# KiCad board nRFpill.kicad_pcb
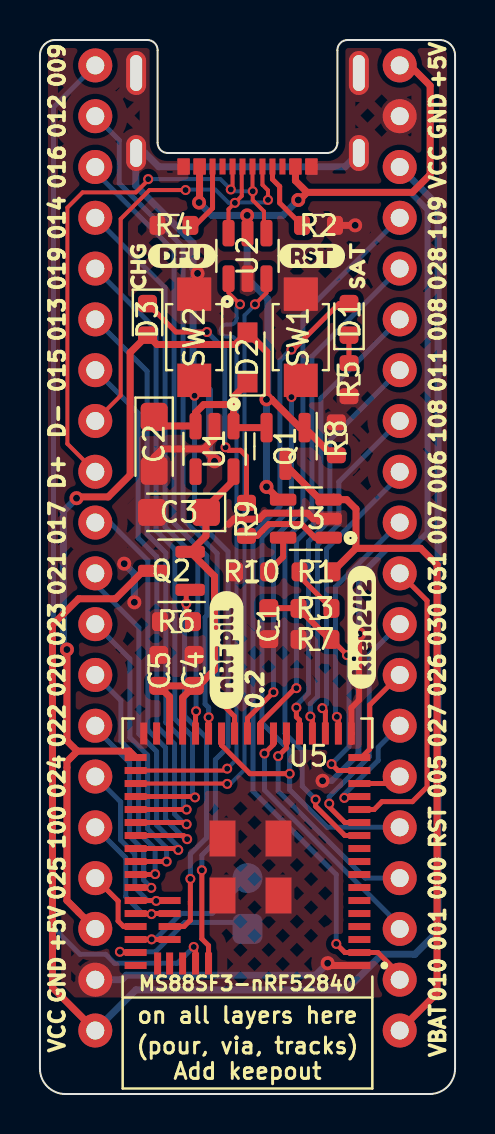
[diagram p0: board, top side]
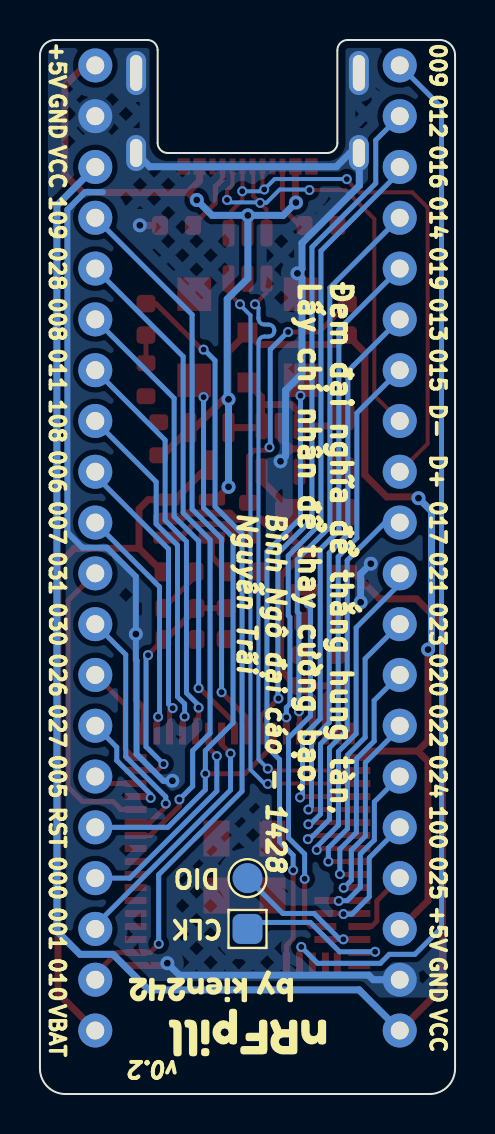
[diagram p1: board, bottom side, seen from below]

Outline 20.78 x 52.71 mm; copper layers: Top, Bottom. Coordinates in mm from the lower left corner of the outline.
Outline path: 0,51.94 0,1.27 arc(0.37,0.37) 1.27,0 19.51,0 arc(20.41,0.37) 20.78,1.27 20.78,51.94 arc(20.56,52.48) 20.02,52.71 15.4,52.71 arc(15.04,52.56) 14.89,52.2 14.89,47.56 arc(14.74,47.2) 14.38,47.05 6.4,47.05 arc(6.04,47.2) 5.89,47.56 5.89,52.2 arc(5.74,52.56) 5.38,52.71 0.76,52.71 arc(0.22,52.48) 0,51.94
Stack: Top 0.035mm / dielectric 1.51mm FR4 er 4.5 / Bottom 0.035mm

## Placement (name value [footprint] x y rotation side)
C1  100nF  [C_0603_1608Metric]  11.46 23.52 270 top
C2  10uF  [CP_EIA-3216-12_Kemet-S]  5.72 32.51 270 top
C3  10uF  [CP_EIA-3216-12_Kemet-S]  6.96 29.08 180 top
C4  10uF  [C_0603_1608Metric]  7.72 21.18 90 top
C5  100nF  [C_0603_1608Metric]  5.94 21.18 90 top
D1  BLUE  [LED_0603_1608Metric]  15.47 38.74 90 top
D2  1N5819  [D_SOD-323_HandSoldering]  10.39 36.83 90 top
D3  BLUE  [LED_0603_1608Metric]  5.39 38.74 270 top
J1  USB_C_Receptacle_USB2.0  [USB-C-Low]  10.39 47.06 0 top
J2  -  [PinHeader_1x20_P2.54mm_Vertical]  2.77 51.44 0 top
J3  -  [PinHeader_1x20_P2.54mm_Vertical]  18.01 51.44 0 top
J4  -  [TestPoint_Pad_1.5x1.5mm]  10.39 8.26 90 bottom
J5  -  [TestPoint_Pad_D1.5mm]  10.39 10.8 90 bottom
kibuzzard-62FEE3AB  G***  [kibuzzard-62FEE3AB]  12.22 5.38 0 bottom
kibuzzard-62FEE358  G***  [kibuzzard-62FEE358]  10.39 3.07 0 bottom
kibuzzard-6303CF12  G***  [kibuzzard-6303CF12]  9.34 22.2 90 top
kibuzzard-6303CF50  G***  [kibuzzard-6303CF50]  16.11 23.34 90 top
kibuzzard-6303CFD4  G***  [kibuzzard-6303CFD4]  4.92 41.37 90 top
kibuzzard-6303D094  G***  [kibuzzard-6303D094]  15.88 41.41 90 top
kibuzzard-63049CD9  G***  [kibuzzard-63049CD9]  7.11 41.91 0 top
kibuzzard-63049CF8  G***  [kibuzzard-63049CF8]  13.62 41.91 0 top
Q1  AO3407  [SOT-23]  12.3 32.39 270 top
Q2  AO3407  [SOT-23]  6.58 26.16 180 top
R1  2M  [R_0603_1608Metric]  13.82 26.11 180 top
R2  5.1k  [R_0603_1608Metric]  13.95 43.43 0 top
R3  2M  [R_0603_1608Metric]  13.77 24.28 180 top
R4  5.1k  [R_0603_1608Metric]  6.71 43.43 0 top
R5  1K  [R_0603_1608Metric]  15.47 35.72 90 top
R6  100k  [R_0603_1608Metric]  6.83 23.62 180 top
R7  10M  [R_0603_1608Metric]  13.77 22.73 180 top
R8  100K  [R_0603_1608Metric]  14.83 32.77 90 top
R9  1K  [R_0603_1608Metric]  10.34 28.74 270 top
R10  2.3k  [R_0603_1608Metric]  10.6 26.11 180 top
SW1  RST  [SW_SPST_B3U-1000P]  13.06 37.85 270 top
SW2  DFU  [SW_SPST_B3U-1000P]  7.72 37.85 270 top
U1  MIC5219-3.3YM5  [SOT-23-5]  8.74 32.26 270 top
U2  USBLC6-2SC6  [SOT-23-6]  10.39 41.91 90 top
U3  TP4054  [SOT-23-5]  13.31 28.77 180 top
U5  MS88FS3  [MODULE_MS88SF3]  10.39 9.53 180 top

## Library data of the parts
D1 D3 = -: LCSC: C375446; LCSC Part Number: C375446
R5 = -: LCSC: C21190; LCSC Part Number: C21190

## Footprints (pads in the part's own frame, mm; a bottom-side part is the same pattern mirrored in y, then rotated)
C_0603_1608Metric
  rrect 0.9x0.95 smd: 1(-0.775,0) 2(0.775,0)
CP_EIA-3216-12_Kemet-S
  rrect 1.4x1.35 smd: 1(-1.35,0) 2(1.35,0)
D_SOD-323_HandSoldering
  rect 1x1 smd: 1(-1.25,0) 2(1.25,0)
LED_0603_1608Metric
  rrect 0.875x0.95 smd: 1(-0.787,0) 2(0.787,0)
MODULE_MS88SF3
  rect 1.1x0.35 smd: 1(-5.6,3.1) 2(-5.6,2.45) 3(-5.6,1.8) 4(-5.6,1.15) 5(-5.6,0.5) 6(-5.6,-0.15) 7(-5.6,-0.8) 8(-5.6,-1.45) 9(-5.6,-2.1) 10(-5.6,-2.75) 11(-5.6,-3.4) 12(-5.6,-4.05) 13(-5.6,-4.7) 14(-5.6,-5.35) 15(-5.6,-6) 16(-5.6,-6.65) 17(-5.6,-7.3) 35(5.6,-7.3) 36(5.6,-6.65) 37(5.6,-6) 38(5.6,-5.35) 39(5.6,-4.7) 40(5.6,-4.05) 41(5.6,-3.4) 42(5.6,-2.75) 43(5.6,-2.1) 44(5.6,-1.45) 45(5.6,-0.8) 46(5.6,-0.15) 47(5.6,0.5) 48(5.6,1.15) 49(5.6,1.8) 50(5.6,2.45) 51(5.6,3.1) 57(3.9,1.8) 58(3.9,1.15) 59(3.9,0.5) 60(3.9,-0.15)
  rect 0.35x1.1 smd: 18(-5.2,-8.5) 19(-4.55,-8.5) 20(-3.9,-8.5) 21(-3.25,-8.5) 22(-2.6,-8.5) 23(-1.95,-8.5) 24(-1.3,-8.5) 25(-0.65,-8.5) 26(0,-8.5) 27(0.65,-8.5) 28(1.3,-8.5) 29(1.95,-8.5) 30(2.6,-8.5) 31(3.25,-8.5) 32(3.9,-8.5) 33(4.55,-8.5) 34(5.2,-8.5) 52(4.5,3) 53(3.9,3) 54(3.25,3) 55(2.6,3) 56(1.95,3)
  rect 1.3x1.8 smd: 61(1.25,-0.4) 62(1.25,-3.25) 63(-1.55,-3.25) 64(-1.55,-0.4)
PinHeader_1x20_P2.54mm_Vertical
  round 1.7 hole 0.9: 1(0,0) 2(0,-2.54) 3(0,-5.08) 4(0,-7.62) 5(0,-10.16) 6(0,-12.7) 7(0,-15.24) 8(0,-17.78) 9(0,-20.32) 10(0,-22.86) 11(0,-25.4) 12(0,-27.94) 13(0,-30.48) 14(0,-33.02) 15(0,-35.56) 16(0,-38.1) 17(0,-40.64) 18(0,-43.18) 19(0,-45.72) 20(0,-48.26)
R_0603_1608Metric
  rrect 0.8x0.95 smd: 1(-0.825,0) 2(0.825,0)
SOT-23
  rrect 1.475x0.6 smd: 1(-0.938,0.95) 2(-0.938,-0.95) 3(0.938,0)
SOT-23-5
  rrect 1.325x0.6 smd: 1(-1.137,0.95) 2(-1.137,0) 3(-1.137,-0.95) 4(1.137,-0.95) 5(1.137,0.95)
SOT-23-6
  rrect 1.325x0.6 smd: 1(-1.137,0.95) 2(-1.137,0) 3(-1.137,-0.95) 4(1.137,-0.95) 5(1.137,0) 6(1.137,0.95)
SW_SPST_B3U-1000P
  rect 1.671x1.7 smd: 1(-2.15,0) 2(2.159,0)
TestPoint_Pad_1.5x1.5mm
  rrect 1.5x1.5 smd: 1(0,0)
TestPoint_Pad_D1.5mm
  round 1.5 smd: 1(0,0)
USB-C-Low
  rect 0.6x0.8 smd: A1(3.2,-0.679) A4(2.4,-0.679) A9(-2.4,-0.679) A12(-3.2,-0.679) B1(-3.2,-0.679) B4(-2.4,-0.679) B9(2.4,-0.679) B12(3.2,-0.679)
  rect 0.3x0.8 smd: A5(1.25,-0.679) A6(0.25,-0.679) A7(-0.25,-0.679) A8(-1.25,-0.679) B5(-1.75,-0.679) B6(-0.75,-0.679) B7(0.75,-0.679) B8(1.75,-0.679)
  oval 1x2.2 hole 0.6x1.8: S1(-5.575,3.996) S1(5.575,3.996)
  oval 1x1.8 hole 0.6x1.4: S1(-5.575,-0.004) S1(5.575,-0.004)

## Nets
+5V: D2.2 D3.2 J1.A4 J1.A9 J1.B4 J1.B9 J2.18 J3.1 Q1.1 R8.1 U2.5 U3.4 U5.35
GND: C1.2 C2.2 C3.2 C4.2 C5.2 J1.A1 J1.A12 J1.B1 J1.B12 J1.S1 J2.19 J3.2 R2.2 R4.1 R5.1 R6.2 R7.2 R8.2 R10.2 SW1.1 SW2.1 U1.2 U2.2 U3.2 U5.1 U5.18 U5.34 U5.61 U5.62 U5.63 U5.64
VBAT: J3.20 Q1.3 R1.1 U3.3
VCC: J2.20 J3.3 Q2.3
0.00: J3.17 U5.23
0.01: J3.18 U5.24
0.05: J3.15 U5.15
0.06: J3.9 U5.20
0.07: J3.10 U5.19
0.08: J3.6 U5.25
0.11: J3.7 U5.22
0.12: J2.2 U5.27
0.13: J2.6 U5.39
0.14: J2.4 U5.30
0.15: J2.7 U5.40
0.16: J2.3 U5.29
0.17: J2.10 U5.41
0.19: J2.5 U5.38
0.20: J2.13 U5.44
0.21: J2.11 U5.42
0.22: J2.14 U5.45
0.23: J2.12 U5.43
0.24: J2.15 U5.46 U5.60
0.25: J2.17 U5.48
0.26: J3.13 U5.17
0.27: J3.14 U5.14
0.28: J3.5 U5.11
0.30: J3.12 U5.12
0.31: J3.11 U5.13
1.00: J2.16 U5.47 U5.59
1.08: J3.8 U5.21
1.09: J3.4 U5.26
009: J2.1 U5.55
BATTERY_PIN: C1.1 R3.2 R7.1 U5.16
D+: U2.3 U5.37
D-: U2.1 U5.36
DCCH: U5.33
DFU: SW2.2 U5.56
DP+: J1.A6 J1.B6 J2.9 U2.4
DP-: J1.A7 J1.B7 J2.8 U2.6
LED_1: D1.2 J3.19 U5.2
nRF_VDD: C3.1 C4.1 C5.1 Q2.2 U1.5 U5.31 U5.32
POWER_PIN: Q2.1 R6.1 U5.58
RST: J3.16 SW1.2 U5.28
SWCLK: J4.1 U5.50
SWDIO: J5.1 U5.49 U5.57
Net-(C2-Pad1): C2.1 D2.1 Q1.2 U1.1 U1.3
Net-(D1-Pad1): D1.1 R5.2
Net-(D3-Pad1): D3.1 R9.1
Net-(J1-PadA5): J1.A5 R2.1
Net-(J1-PadB5): J1.B5 R4.2
Net-(R1-Pad2): R1.2 R3.1
Net-(R9-Pad2): R9.2 U3.1
Net-(R10-Pad1): R10.1 U3.5

Pads without a net: J1 A8 B8; U1 4; U5 3 4 5 6 7 8 9 10 51 52 53 54

## Via types
v1: diameter 0.7, hole 0.35, Top to Bottom, 15 vias
v2: diameter 0.5, hole 0.3, Top to Bottom, 49 vias

## Routing (per net, layer and track width the routed paths; a pad name or vN(x,y) marks a point on that pad's centre or on a via; arc(x,y) is an arc through that point)
+5V: length 89.2
  Top w0.35: J3.1 18.52,51.44 19.53,50.42 19.53,45.97 18.64,45.09 13.37,45.09 ; v1(10.37,43.93) 10.39,43.92 U2.5 ; 13.37,45.09 12.79,45.67 J1.A4 ; 13.37,45.09 12.99,44.7 v1(12.93,44.7) 12.93,44.64 ; 1.87,17.15 4.47,17.15 U5.35 ; 1.87,17.15 1.35,17.66 v1(1.35,22.23) ; 1.87,17.15 1.35,16.63 1.35,9.67 J2.18 ; 14.83,32.07 14.5,32.07 Q1.1 13.01,33.32 11.6,34.74 v1(11.34,34.74) 11.36,34.75 11.36,37.11 D2.2 ; U3.4 11.98,29.72 v1(11.34,30.36) ; D2.2 9.79,37.48 5.86,37.48 D3.2 4.52,37.08 4.52,30.96 3.42,29.86 1.89,29.86 v1(1.83,29.79) ; D2.2 10.39,38.23 ; J1.A9 7.99,44.6 v1(7.97,44.58)
  Bottom w0.35: v1(10.37,43.93) 8.61,43.93 v1(7.97,44.58) ; v1(10.37,43.93) 12.16,43.93 v1(12.93,44.7) 12.76,44.53 ; v1(10.37,43.93) 10.37,40.79 11.41,39.75 11.41,34.8 v1(11.34,34.74) v1(11.34,30.36) ; v1(1.35,22.23) 1.18,22.4 1.18,29.14 v1(1.83,29.79)
GND: length 96.4
  Top w0.3: v1(15.98,23) 15.98,19.7 15.59,19.31 U5.18 15.59,17.6
  Top w0.35: U1.2 8.74,32.8 8.2,32.26 ; v1(7.89,41.03) 7.89,40.67 ; v1(15.78,43.44) 15.78,43.43 R2.2 ; 8.2,32.26 8.74,31.72 v1(8.74,31.64) ; 8.2,32.26 6.13,32.26 5.72,31.84 C2.2 ; U3.2 13.68,28.77 13.41,29.04 11.26,29.04 10.97,28.75 9.71,28.75 9.45,28.49 ; U5.1 14.52,6.43 v1(14.4,6.54)
  Bottom w0.3: v1(14.15,15.66) 14.61,15.66 15.94,17 15.94,21.67 15.97,21.7 15.97,21.72 15.98,21.73 v1(15.98,23) 15.98,25.87 17.42,27.32 18.64,27.32 19.41,28.08 19.41,44.22 18.52,45.1 17.63,45.1
  Bottom w0.35: J1.S1 15.28,46.37 5.94,46.37 5.26,47.05 J1.S1 4.79,47.03 4.79,45.42 7.66,42.55 7.66,41.26 v1(7.89,41.03) 7.66,40.81 7.66,36.01 8.48,35.19 8.48,31.89 v1(8.74,31.64) ; J2.19 4.1,5.72 4.32,5.94 13.8,5.94 v1(14.4,6.54) ; v1(4.22,26.52) 4.73,26.01 v1(4.73,24.59)
VBAT: length 36.8
  Top w0.35: 14.71,29.85 14.58,29.72 U3.3 ; Q1.3 14.02,29.72 U3.3 ; U3.3 15.36,29.72 15.82,29.25 15.82,27.29 ; J3.20 19.88,5.05 19.88,26.46 19.06,27.29 15.82,27.29 ; R1.1 15.82,27.29
VCC: length 85.9
  Top w0.3: Q2.3 5.31,26.16
  Top w0.35: Q2.3 5.18,26.16 3.79,24.77 1.94,24.77 0.63,23.46 0.63,5.32 J2.20
  Bottom w0.35: J2.20 4.8,5.21 15.34,5.21 17.12,6.98 18.77,6.98 19.93,8.15 19.93,44.43 J3.3
0.00: length 10.9
  Top w0.25: v2(11.93,16.9) 12.34,17.31 U5.23
  Bottom w0.25: J3.17 16.28,10.8 11.93,15.15 v2(11.93,16.9)
0.01: length 12.8
  Top w0.25: v2(11.24,17.03) 11.69,17.48 U5.24
  Bottom w0.25: v2(11.24,17.03) 11.24,15.2 18.01,8.43 J3.18
0.05: length 2.6
  Top w0.25: 17.55,15.88 J3.15 17.66,15.53 U5.15
0.06: length 14.8
  Top w0.25: U5.20 14.29,19.14 v2(14.14,19.29)
  Bottom w0.25: v2(14.14,19.29) 14.34,19.5 14.34,27.25 18.01,30.92 J3.9
0.07: length 11.9
  Top w0.25: U5.19 14.94,18.78 v2(14.86,18.86)
  Bottom w0.25: J3.10 14.79,25.36 14.79,18.93 v2(14.86,18.86)
0.08: length 23.6
  Top w0.25: v2(12.84,20.29) 12.78,20.29 11.04,18.56 U5.25
  Bottom w0.25: v2(12.84,20.29) 12.84,27.65 14.06,28.88 14.06,34.79 J3.6
0.11: length 20.4
  Top w0.25: U5.22 12.99,18.7 12.84,18.85 v2(12.84,19.32)
  Bottom w0.25: J3.7 14.51,32.7 14.51,28.69 13.45,27.63 13.45,20.05 12.84,19.44 v2(12.84,19.32)
0.12: length 34
  Top w0.25: v2(8.84,19.78) 9.74,18.88 U5.27
  Bottom w0.25: 3.02,48.9 J2.2 3.97,47.7 3.97,45.54 7.16,42.34 7.16,28.74 8.87,27.03 8.87,19.81 v2(8.84,19.78)
0.13: length 29
  Top w0.25: v2(7.34,14.23) U5.39
  Bottom w0.25: J2.6 5.37,36.14 5.37,27.99 6.3,27.05 6.3,18.57 7.19,17.69 7.19,14.38 v2(7.34,14.22)
0.14: length 28
  Top w0.25: U5.30 7.79,19.11 v2(7.82,19.14)
  Bottom w0.25: J2.4 6.27,40.32 6.27,28.36 7.9,26.73 7.9,24.11 7.82,24.03 v2(7.82,19.14)
0.15: length 27.2
  Top w0.25: U5.40 7.25,13.58 v2(7.34,13.49)
  Bottom w0.25: v2(7.34,13.49) 7.24,13.49 6.74,13.99 6.74,17.5 5.85,18.39 5.85,26.87 4.92,27.8 4.92,34.05 J2.7
0.16: length 30.8
  Top w0.25: v2(8.45,18.84) 8.44,18.83 U5.29
  Bottom w0.25: J2.3 2.77,46.1 6.71,42.16 6.71,28.55 8.35,26.91 8.35,23.92 8.27,23.84 8.27,19.5 8.45,19.32 v2(8.45,18.84)
0.17: length 20.9
  Top w0.25: v2(7.37,12.74) 7.19,12.93 U5.41
  Bottom w0.25: v2(7.37,12.74) 7.27,12.74 6.29,13.73 6.29,17.31 5.4,18.2 5.4,26.68 3.51,28.58 J2.10
0.19: length 31.5
  Top w0.25: U5.38 7.72,14.88 v2(7.76,14.83)
  Bottom w0.25: J2.5 5.82,38.23 5.82,28.18 6.75,27.24 6.75,18.76 7.64,17.87 7.64,14.96 v2(7.76,14.83)
0.20: length 12.2
  Top w0.25: U5.44 5.75,10.98 v2(5.77,11)
  Bottom w0.25: v2(5.77,11) 5.77,12.24 4.94,13.07 4.94,16.75 4.05,17.64 4.05,19.68 J2.13
0.21: length 17.7
  Top w0.25: v2(6.92,12.2) 6.85,12.28 U5.42
  Bottom w0.25: v2(6.92,12.2) 6.92,12.36 5.84,13.45 5.84,17.13 4.95,18.02 4.95,23.32 3,25.27 3,25.81 J2.11
0.22: length 10.1
  Top w0.25: v2(5.57,10.31) 5.56,10.33 U5.45
  Bottom w0.25: v2(5.57,10.31) 5.19,10.69 5.19,12.18 4.49,12.89 4.49,16.57 2.77,18.29 J2.14
0.23: length 14.9
  Top w0.25: v2(6.34,11.62) 6.34,11.62 U5.43
  Bottom w0.25: v2(6.34,11.62) 6.34,12.31 5.39,13.26 5.39,16.94 4.5,17.83 4.5,21.77 J2.12
0.24: length 9.5
  Top w0.25: U5.46 5.8,9.68 v2(5.82,9.66) 6.47,9.66 U5.60 6.5,9.67
  Bottom w0.25: v2(5.82,9.66) 5.81,9.67 5.4,9.67 4.74,10.33 4.74,12 4.04,12.7 4.04,14.61 J2.15
0.25: length 3.7
  Top w0.25: J2.17 3.91,9.65 3.91,8.65 4.19,8.38 U5.48
  Bottom w0.25: 2.77,10.69 J2.17
0.26: length 5
  Top w0.25: U5.17 16.09,16.83 16.51,17.25 16.51,19.46 J3.13
0.27: length 5.5
  Top w0.25: U5.14 15.31,14.88 v2(15.24,14.81)
  Bottom w0.25: J3.14 16.94,17.34 16.94,16.68 15.24,14.98 v2(15.24,14.81)
0.28: length 32.7
  Top w0.25: v2(13.8,14.73) 13.8,14.39 15.26,12.93 U5.11
  Bottom w0.25: v2(13.8,14.73) 13.13,15.39 13.13,17.17 12.26,18.04 12.26,27.71 13.61,29.06 13.61,36.88 J3.5
0.30: length 12.4
  Top w0.25: U5.12 15.27,13.58 14.48,14.36 v2(14.48,14.52)
  Bottom w0.25: J3.12 16.49,21.97 16.49,16.87 14.48,14.86 v2(14.48,14.52)
0.31: length 15.1
  Top w0.25: U5.13 16.73,14.23 17.12,14.62 18.64,14.62 19.38,15.35 19.38,24.67 J3.11
1.00: length 7.6
  Top w0.25: U5.59 5.61,9.03 v2(5.58,9) 5.56,9.03 U5.47
  Bottom w0.25: J2.16 4.29,11.81 4.29,9.86 5.16,9 v2(5.58,9) 5.5,9 5.49,8.99
1.08: length 17.5
  Top w0.25: U5.21 13.64,18.77 v2(13.54,18.88)
  Bottom w0.25: v2(13.54,18.88) 13.54,19.51 13.9,19.87 13.9,27.44 14.96,28.51 14.96,30.61 J3.8
1.09: length 28.9
  Top w0.25: U5.26 10.39,18.79 v2(11.69,20.09)
  Bottom w0.25: J3.4 13.16,38.97 13.16,29.25 11.69,27.78 v2(11.69,20.09)
009: length 53
  Top w0.25: U5.55 7.79,7.26 v2(7.7,7.35)
  Bottom w0.25: v2(7.7,7.35) 6.88,6.54 3.74,6.54 3.29,6.98 2.01,6.98 0.68,8.32 0.68,49.34 J2.1
BATTERY_PIN: length 12.3
  Top w0.25: v2(15.37,21.95) 15.37,21.96 R7.1 ; U5.16 14.92,16.18 v2(14.6,16.5)
  Top w0.3: C1.1 12.93,24.3 R3.2 14.49,22.73 R7.1
  Bottom w0.25: v2(14.6,16.5) 15.47,17.37 15.47,21.84 v2(15.37,21.95)
D+: length 30.8
  Top w0.2: U2.3 11.34,40.06 v2(10.77,39.49) ; v2(9.37,15.51) 9.36,15.53 U5.37
  Bottom w0.2: v2(10.77,39.49) 10.77,39.46 10.24,38.94 10.24,16.22 9.53,15.51 v2(9.37,15.51)
D-: length 30.7
  Top w0.2: U2.1 9.44,40.06 v2(10.02,39.49) ; U5.36 9.28,16.18 v2(9.37,16.27)
  Bottom w0.2: v2(10.02,39.49) 9.84,39.31 9.84,38.78 arc(9.75,38.56) 9.54,38.48 9.35,38.48 arc(9.13,38.39) 9.05,38.18 arc(9.13,37.96) 9.35,37.88 9.54,37.88 arc(9.75,37.79) 9.84,37.58 9.84,16.74 v2(9.37,16.27)
DFU: length 30.7
  Top w0.25: 7.85,35.54 7.74,35.65 v2(7.74,34.92) ; U5.56 8.44,7.42 8.1,7.76 v2(8.1,11.19)
  Bottom w0.25: v2(7.74,34.92) 7.74,28.8 9.42,27.12 9.42,17.35 8.79,16.72 8.79,12.62 8.1,11.94 v2(8.1,11.19)
DP+: length 28.8
  Top w0.2: v2(10.65,45.14) 10.64,45.15 J1.A6 ; v2(10.65,45.14) 10.65,45.15 10.64,45.16 ; v2(10.65,45.14) 10.65,44.7 11.22,44.13 11.22,43.17 U2.4 ; J2.9 1.37,32.51 1.37,44.32 2.13,45.09 4.8,45.09 5.32,45.6 5.32,45.65 v2(5.42,45.75) ; J1.B6 9.64,45.32 v2(9.55,45.23)
  Bottom w0.2: v2(5.42,45.75) 5.42,45.75 9.03,45.75 v2(9.55,45.23) 9.64,45.14 v2(10.65,45.14)
DP-: length 24.4
  Top w0.2: v2(11.42,44.71) 11.42,45.19 11.14,45.46 J1.B7 ; J1.A7 10.1,46.34 10.1,44.91 v2(9.76,44.56) 9.44,44.24 U2.6 ; v2(7.29,45.2) 5.48,45.2 4.04,43.76 4.04,34.93 J2.8
  Bottom w0.2: v2(7.29,45.2) 7.32,45.23 8.78,45.23 9.44,44.56 v2(9.76,44.56) 9.78,44.58 11.29,44.58 v2(11.42,44.71)
LED_1: length 40.6
  Top w0.25: v2(12.59,37.22) 12.68,37.22 14.97,39.52 D1.2 ; v2(14.83,7.51) 15.27,7.08 U5.2 16.92,7.08 18.01,5.98 J3.19
  Bottom w0.25: v2(14.83,7.51) 14.83,10.97 12.76,13.05 ; v2(12.59,37.22) 12.56,37.22 12.01,36.68 12.01,29.37 10.66,28.02 10.66,15.14 12.76,13.05 ; 13.06,12.75 12.76,13.05
nRF_VDD: length 19.2
  Top w0.35: U5.32 6.49,19.86 C5.1 C4.1 ; U5.31 7.14,19.83 C4.1 ; C4.1 7.94,20.41 8.74,21.21 8.74,25.89 Q2.2 8.31,27.91 C3.1 8.31,29.3 9.69,30.68
POWER_PIN: length 19.8
  Top w0.25: 7.53,9.62 7.53,8.69 7.22,8.38 U5.58 ; 7.53,9.62 v2(7.53,10.76) ; 7.53,9.62 7.53,9.47 ; Q2.1 7.32,25.02 v2(7.32,24.52) 7.32,23.96 7.66,23.62
  Bottom w0.25: v2(7.32,24.52) 7.24,24.44 7.24,18.9 8.34,17.81 8.34,12.8 7.53,12 v2(7.53,10.76)
RST: length 32.5
  Top w0.25: v2(12.59,34.85) 12.59,35.2 12.93,35.54 ; U5.28 9.09,17.44 10.52,16.02 v2(12.5,16.02)
  Bottom w0.25: v2(12.59,34.85) 12.59,29.31 11.11,27.84 11.11,18.55 12.5,17.17 v2(12.5,16.02) 12.5,15.21 14.38,13.34 J3.16
SWCLK: length 7.9
  Top w0.25: v2(4,7.11) 4.04,7.08 U5.50
  Bottom w0.25: J4.1 10.06,8.58 7.25,8.58 5.78,7.11 v2(4,7.11)
SWDIO: length 7.8
  Top w0.25: U5.49 5.58,7.73 v2(5.59,7.73) 5.6,7.73 U5.57
  Bottom w0.25: J5.1 8.63,9.03 7.06,9.03 5.77,7.73 v2(5.59,7.73)
Net-(C2-Pad1): length 9.4
  Top w0.35: 5.72,33.4 7.76,33.4 7.79,33.38 ; 9.68,34.48 9.67,34.48 8.2,34.48 7.79,34.07 U1.3 ; 9.69,32.94 U1.1 ; U1.1 9.69,34.86 10.39,35.56 D2.1 ; U1.1 9.76,33.32 Q1.2
Net-(D1-Pad1): length 1.4
  Top w0.25: D1.1 15.47,36.58 15.51,36.54
Net-(D3-Pad1): length 13.3
  Top w0.25: R9.1 10.34,31.89 10.04,32.19 9.44,32.19 v2(9.29,32.34) ; D3.1 6.81,38.1 v2(8.36,38.1)
  Bottom w0.25: v2(9.29,32.34) 9.25,32.38 9.25,37.23 8.37,38.1 v2(8.36,38.1)
Net-(J1-PadA5): length 3.6
  Top w0.25: J1.A5 11.64,45.74 12,45.38 12,44.55 R2.1
Net-(J1-PadB5): length 3.5
  Top w0.25: R4.2 7.78,43.43 8.64,44.3 J1.B5
Net-(R1-Pad2): length 2.6
  Top w0.25: R1.2 12.99,25.88 R3.1
  Top w0.3: 14.64,24.13 14.59,24.08
Net-(R9-Pad2): length 4.6
  Top w0.3: R9.2 10.88,27.91 11.46,28.5 13.09,28.5 13.77,27.82 U3.1
Net-(R10-Pad1): length 2
  Top w0.3: R10.1 12.17,26.86 U3.5

## Copper pours and planes (outline as drawn; the poured copper is in the pictures)
GND on Top, Bottom: 23.09,53.98 23.09,-1.91 -2.31,-1.91 -2.31,53.98

## Text on the board
B.Silkscreen: +5V | VCC | 009 | 012 | 016 | 014 | 019 | 013 | 015 | D- | D+ | 017 | 021 | 023 | 020 | 022 | 024 | 100 | 025 | GND | 030 | 026 | 109 | 028 | 008 | 011 | 108 | 006 | 007 | 031 | 027 | 005 | RST | 000 | 001 | 010 | VBAT | v0.2 | DIO | CLK | Bình Ngô đại cáo - 1428 / Nguyễn Trãi | Đem đại nghĩa để thắng hung tàn, / Lấy chí nhân để thay cường bạo.
F.Silkscreen: 023 | 020 | 024 | 025 | +5V | VCC | 015 | 017 | 009 | 012 | 016 | 014 | 019 | 013 | D- | D+ | 021 | 022 | 100 | GND | 030 | 026 | 005 | 000 | 011 | 007 | 109 | 028 | 008 | 108 | 006 | 031 | 027 | RST | 001 | 010 | VBAT | 0.2
